# Altium PCB 2m_DBoard_RX.PcbDoc (part 1 of 3)
Units mm, origin at the board's own origin, x right, y up, seen from the top; angles counter-clockwise.
Board outline 63.5 x 139.7 mm, 8 copper layers (Top RF, AGND, AVDD, DVDD, GND 2, Signal 1, GND 1, Bottom Layer), stack 1.544 mm thick; 234 components, 188 nets, 1048 pads, 1067 vias.
Unrouted connection lines stored in the file: 2.
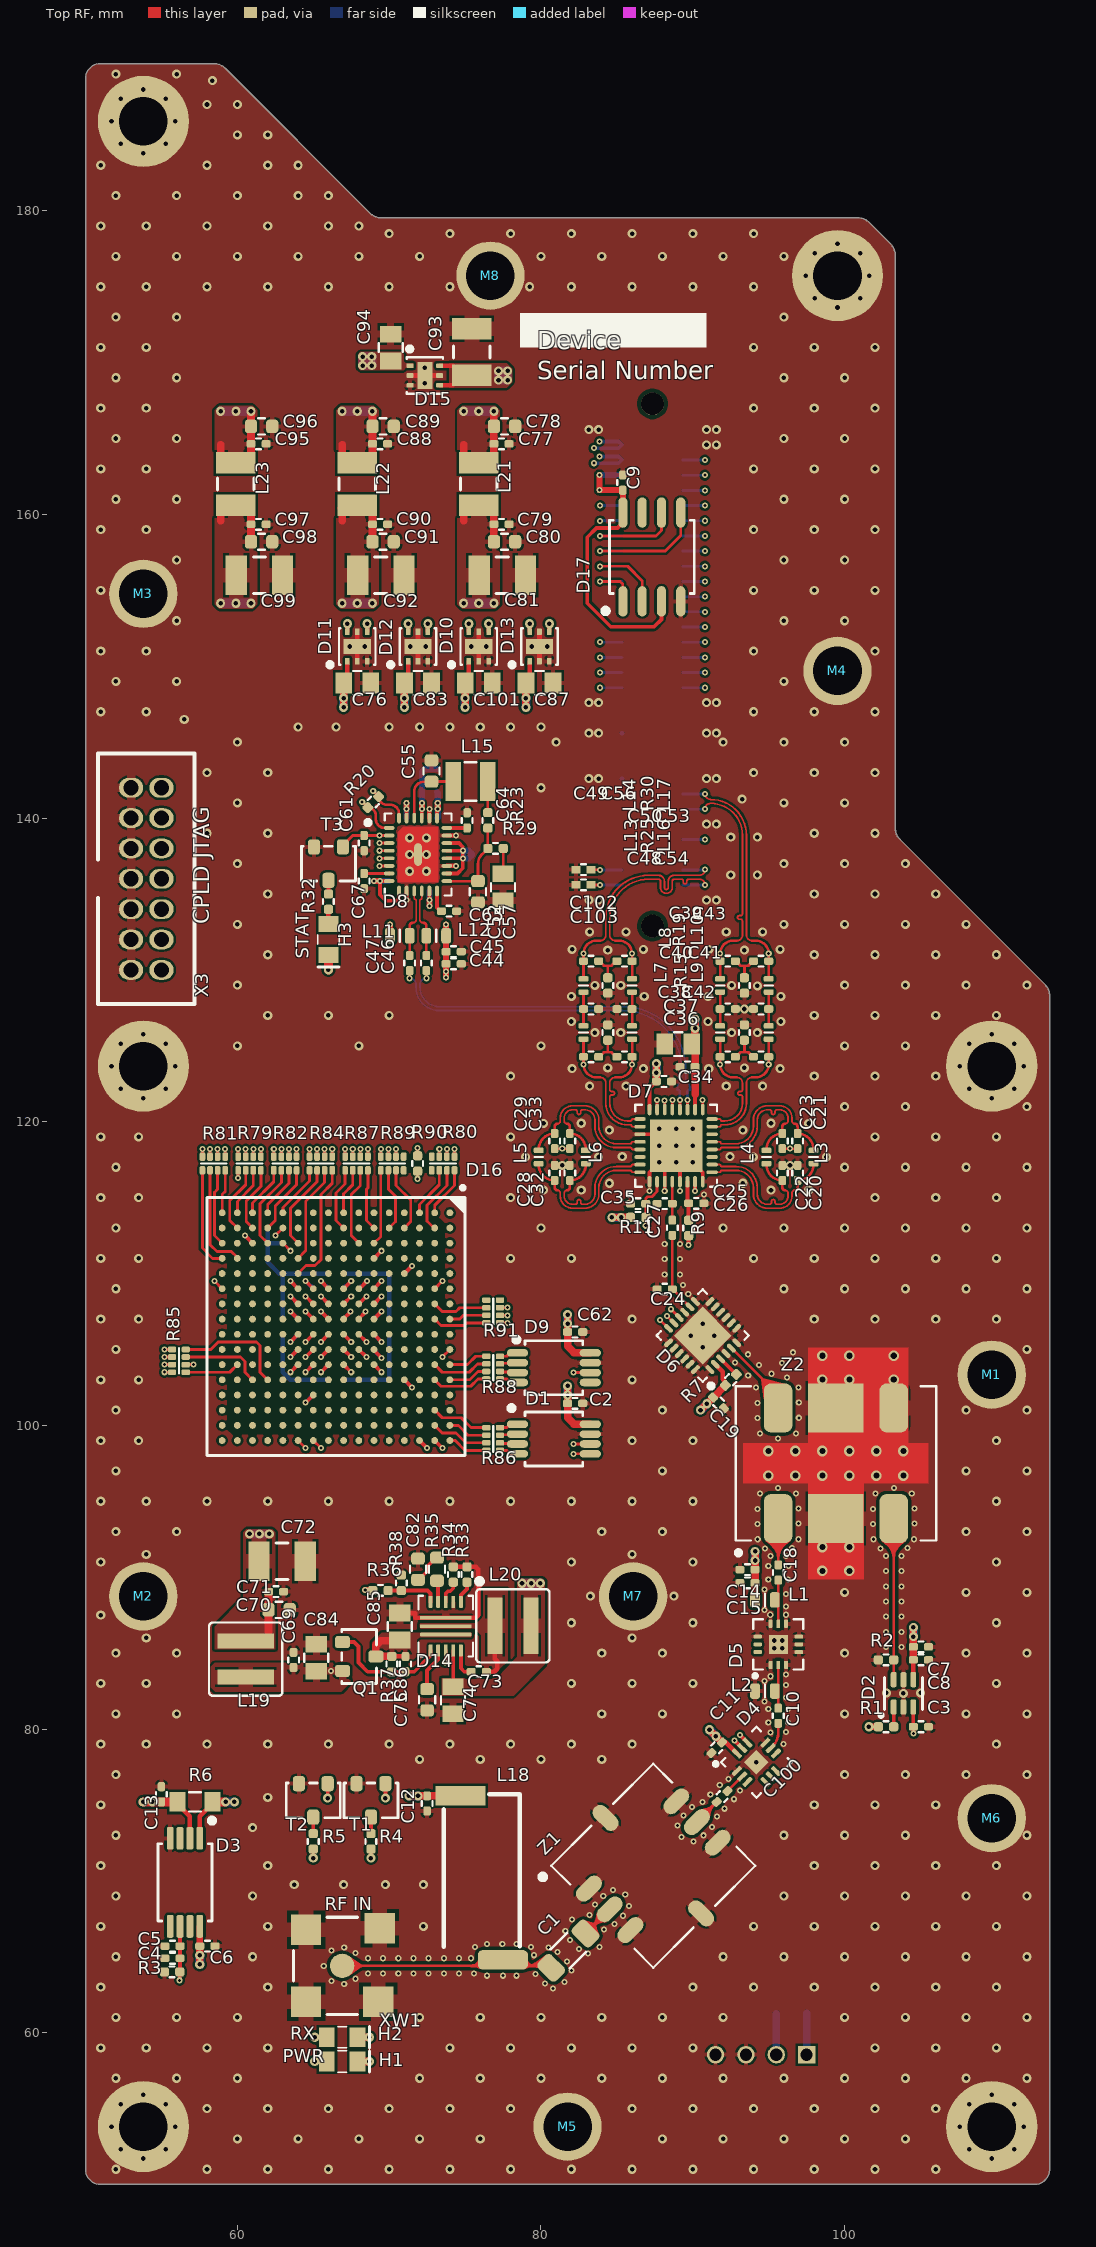
[diagram p0: Top RF view]
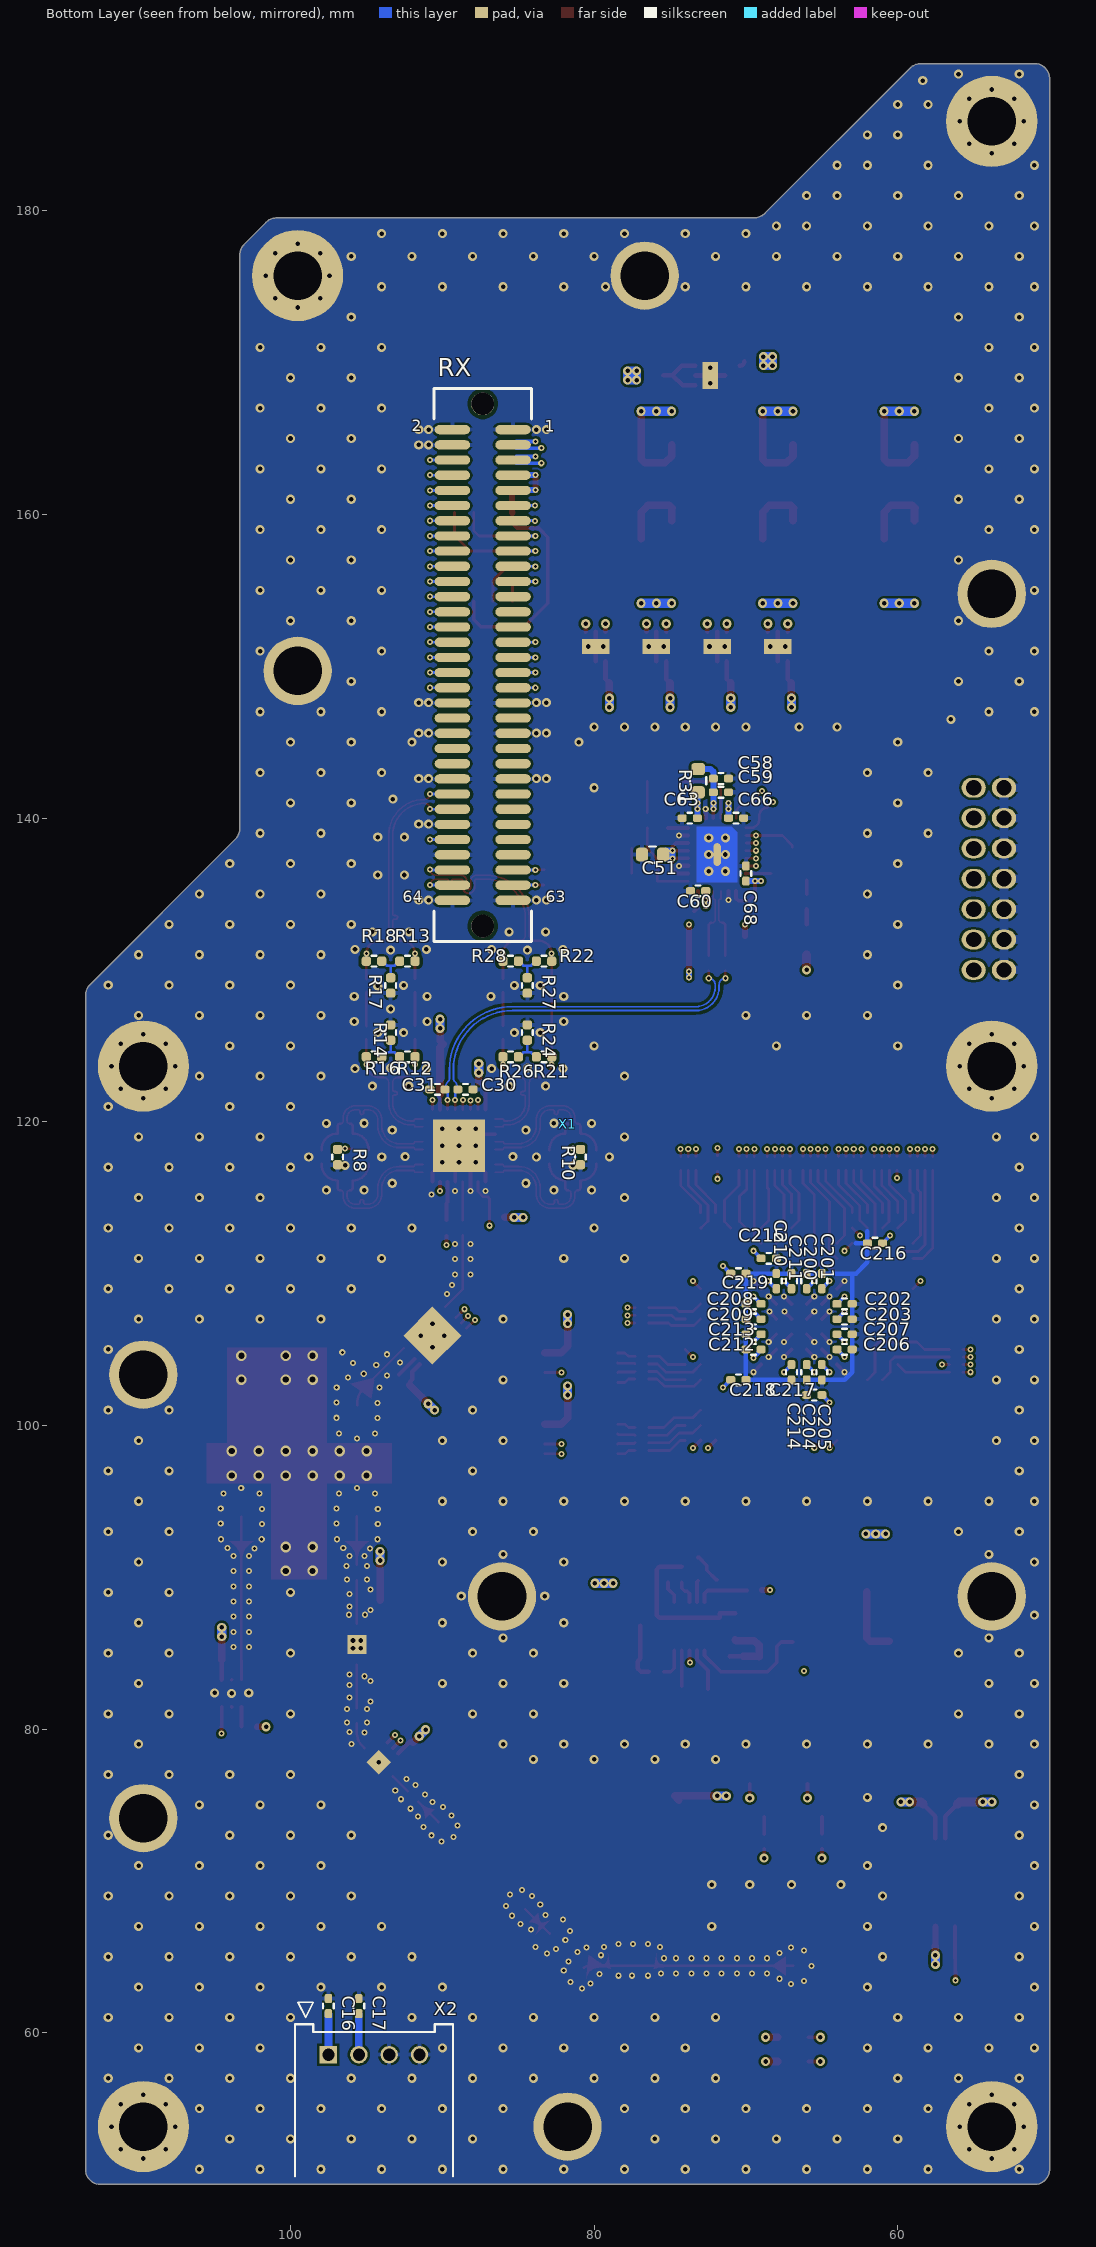
[diagram p1: Bottom Layer view, seen from below]
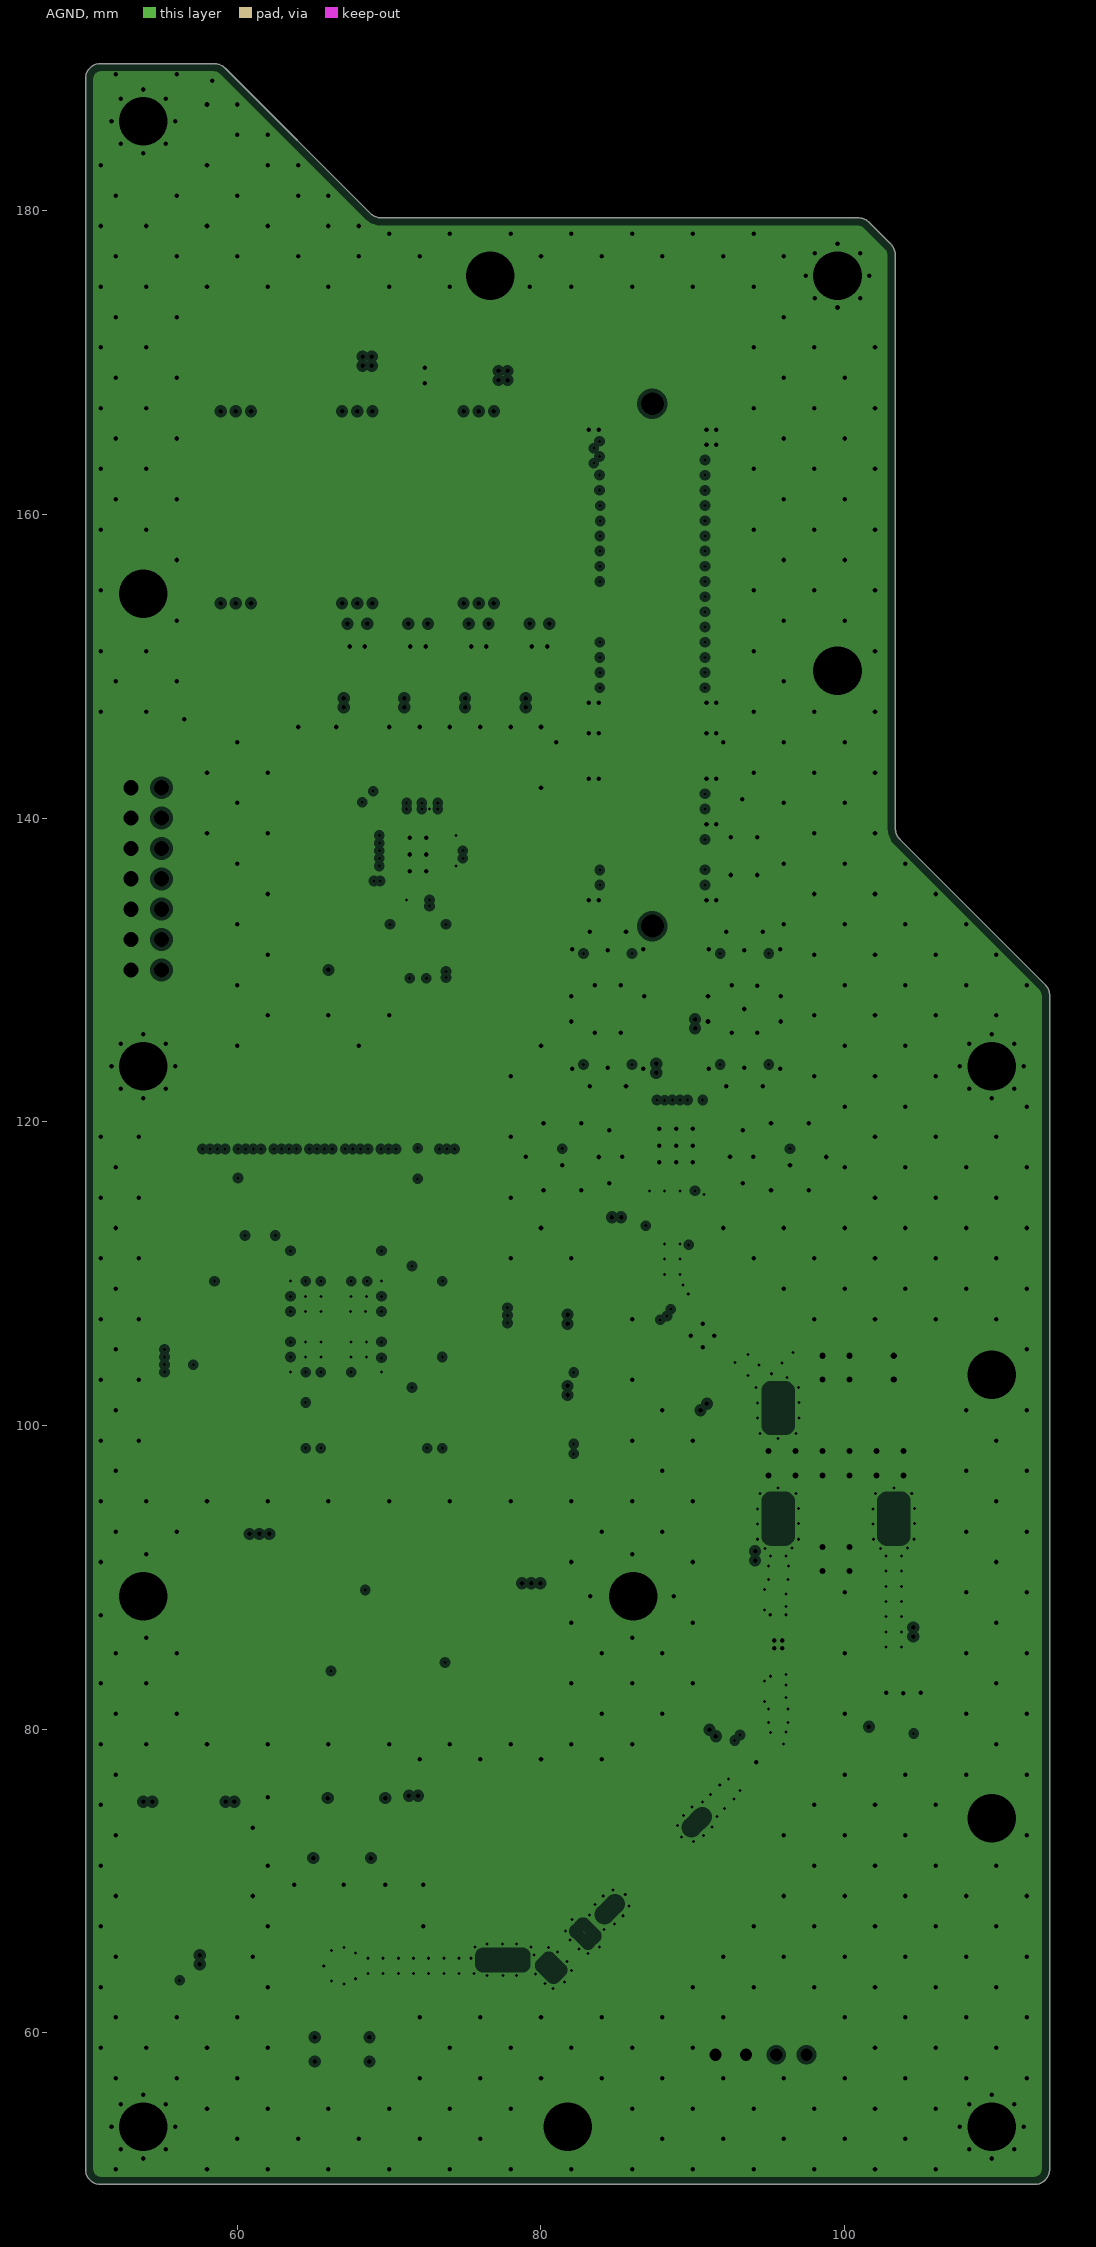
[diagram p2: AGND, clearances drawn from the general rule]
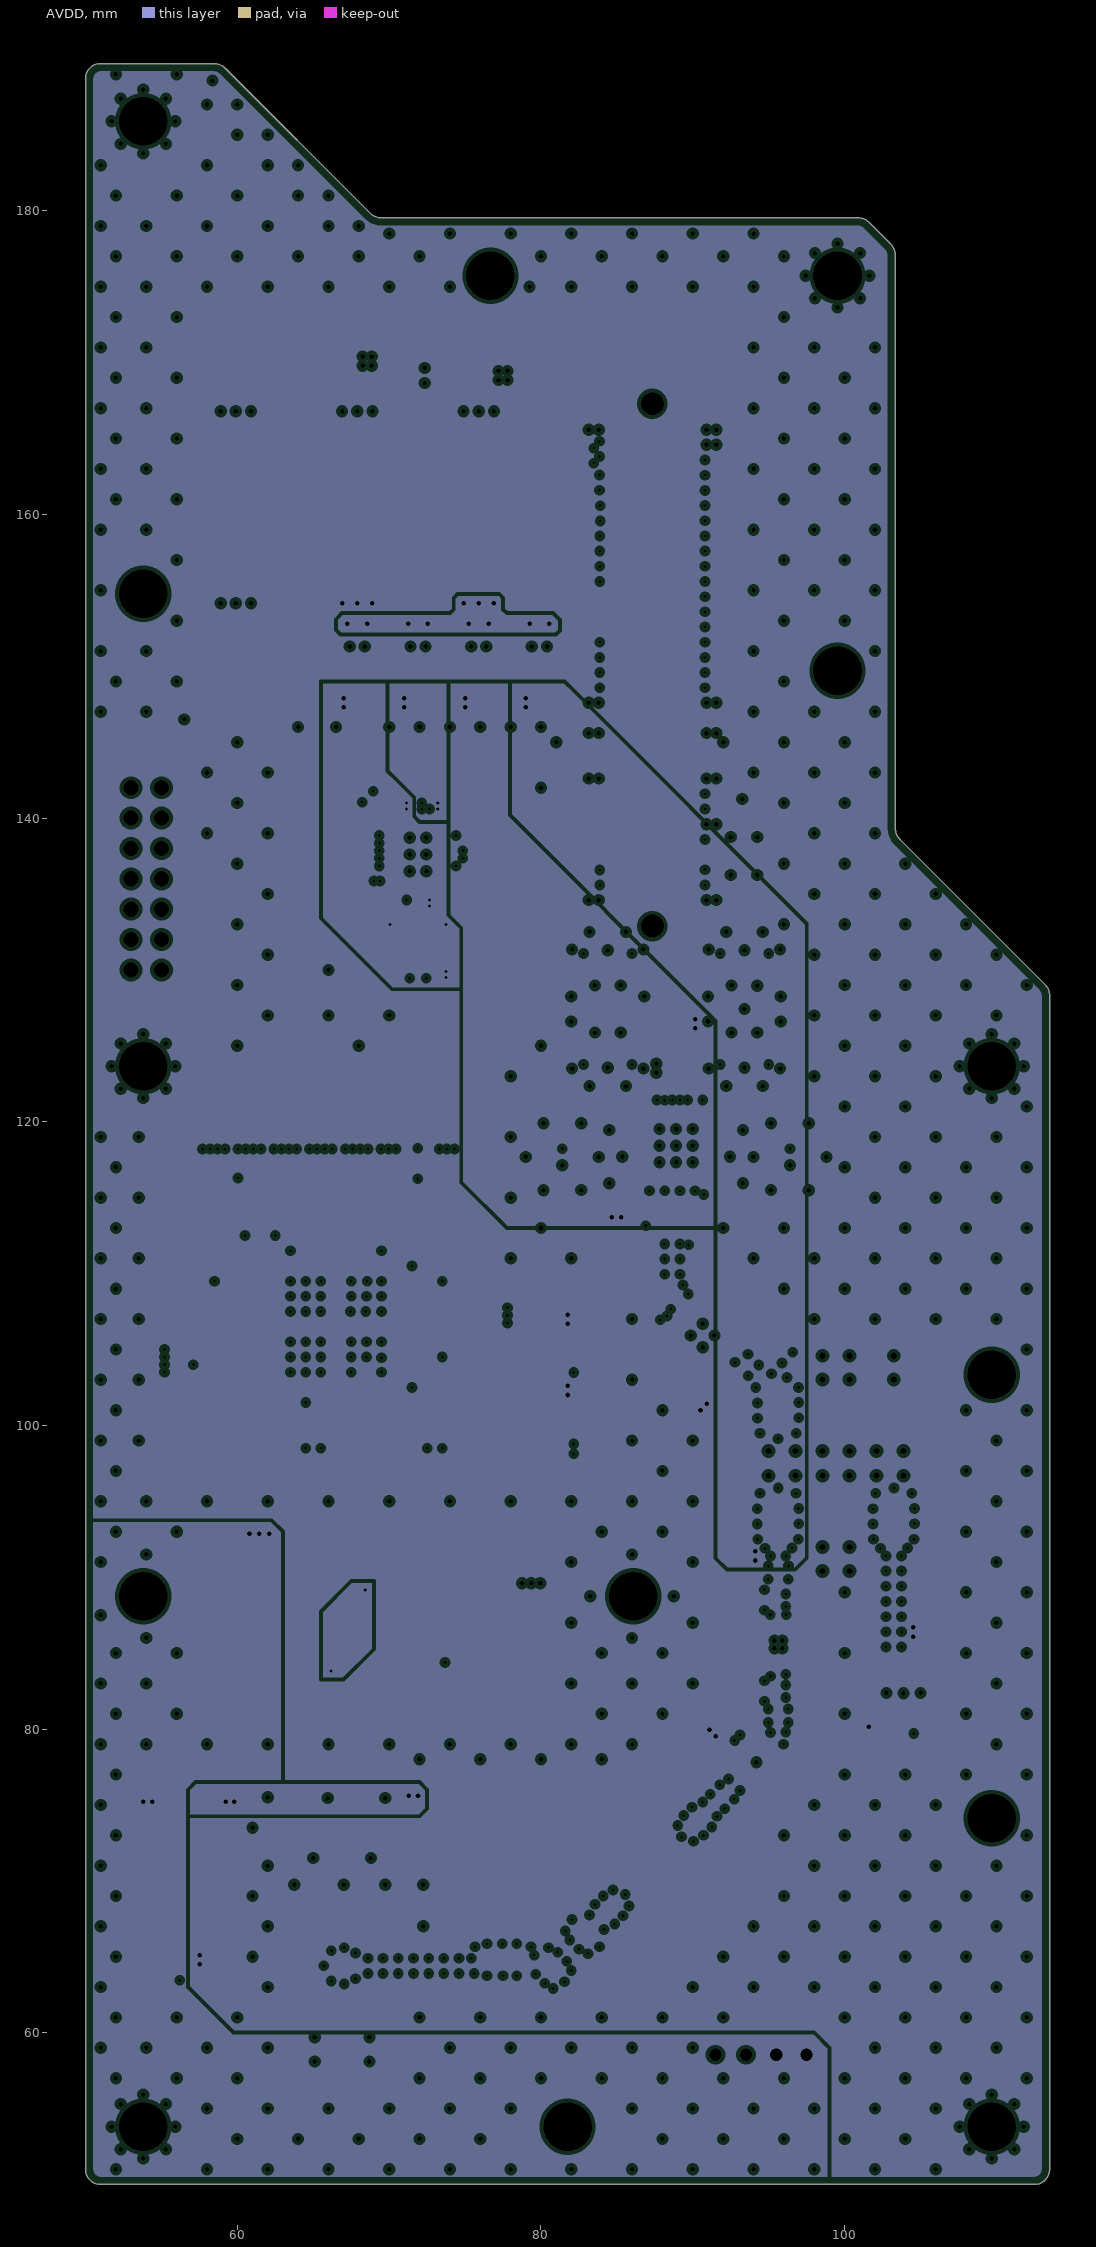
[diagram p3: AVDD, clearances drawn from the general rule]
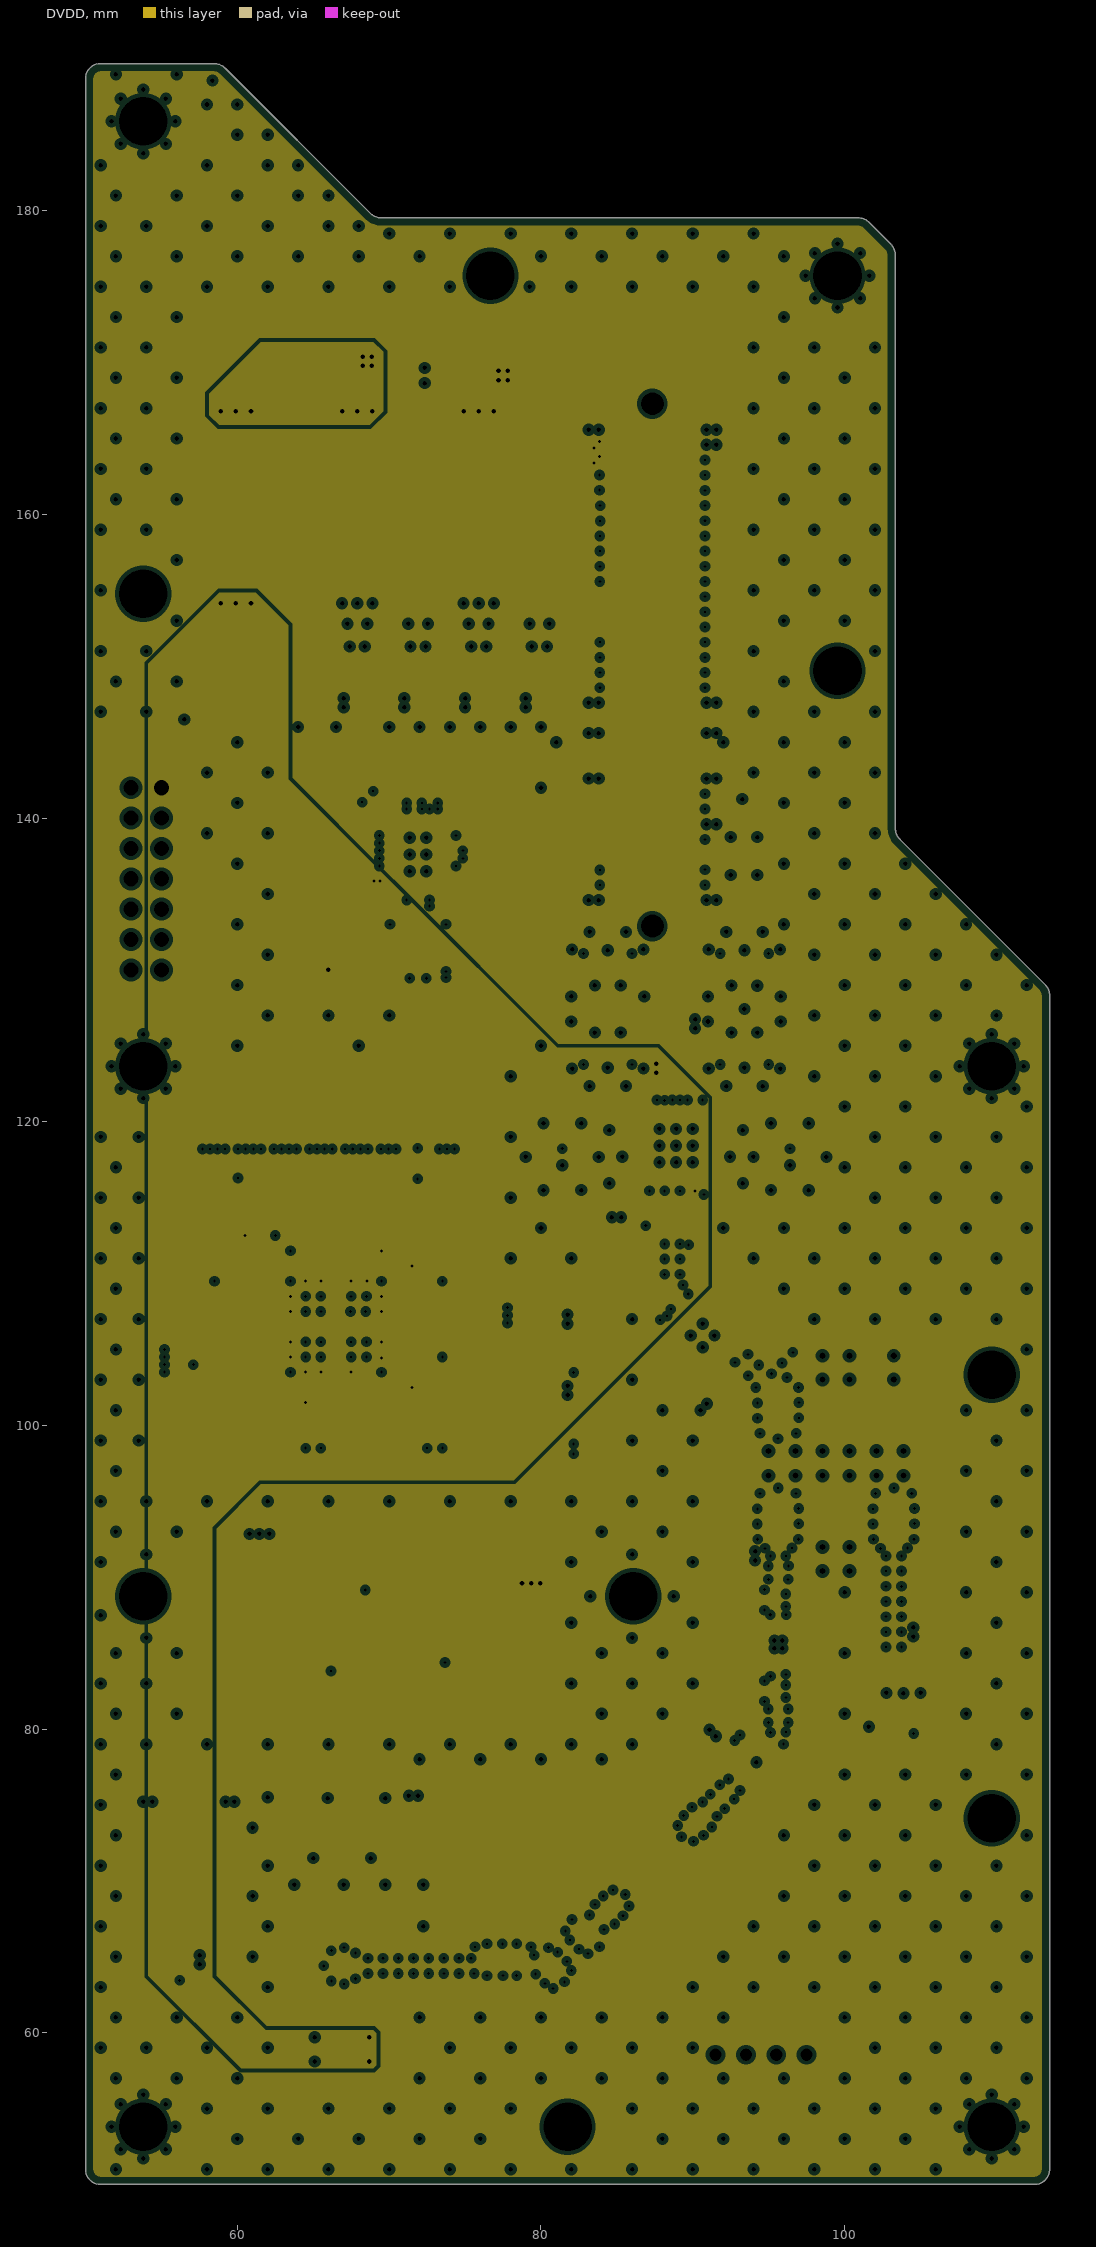
[diagram p4: DVDD, clearances drawn from the general rule]